# Allegro board 1155001-Timing_board_V3_20241024_1805_pcb.brd (continued)
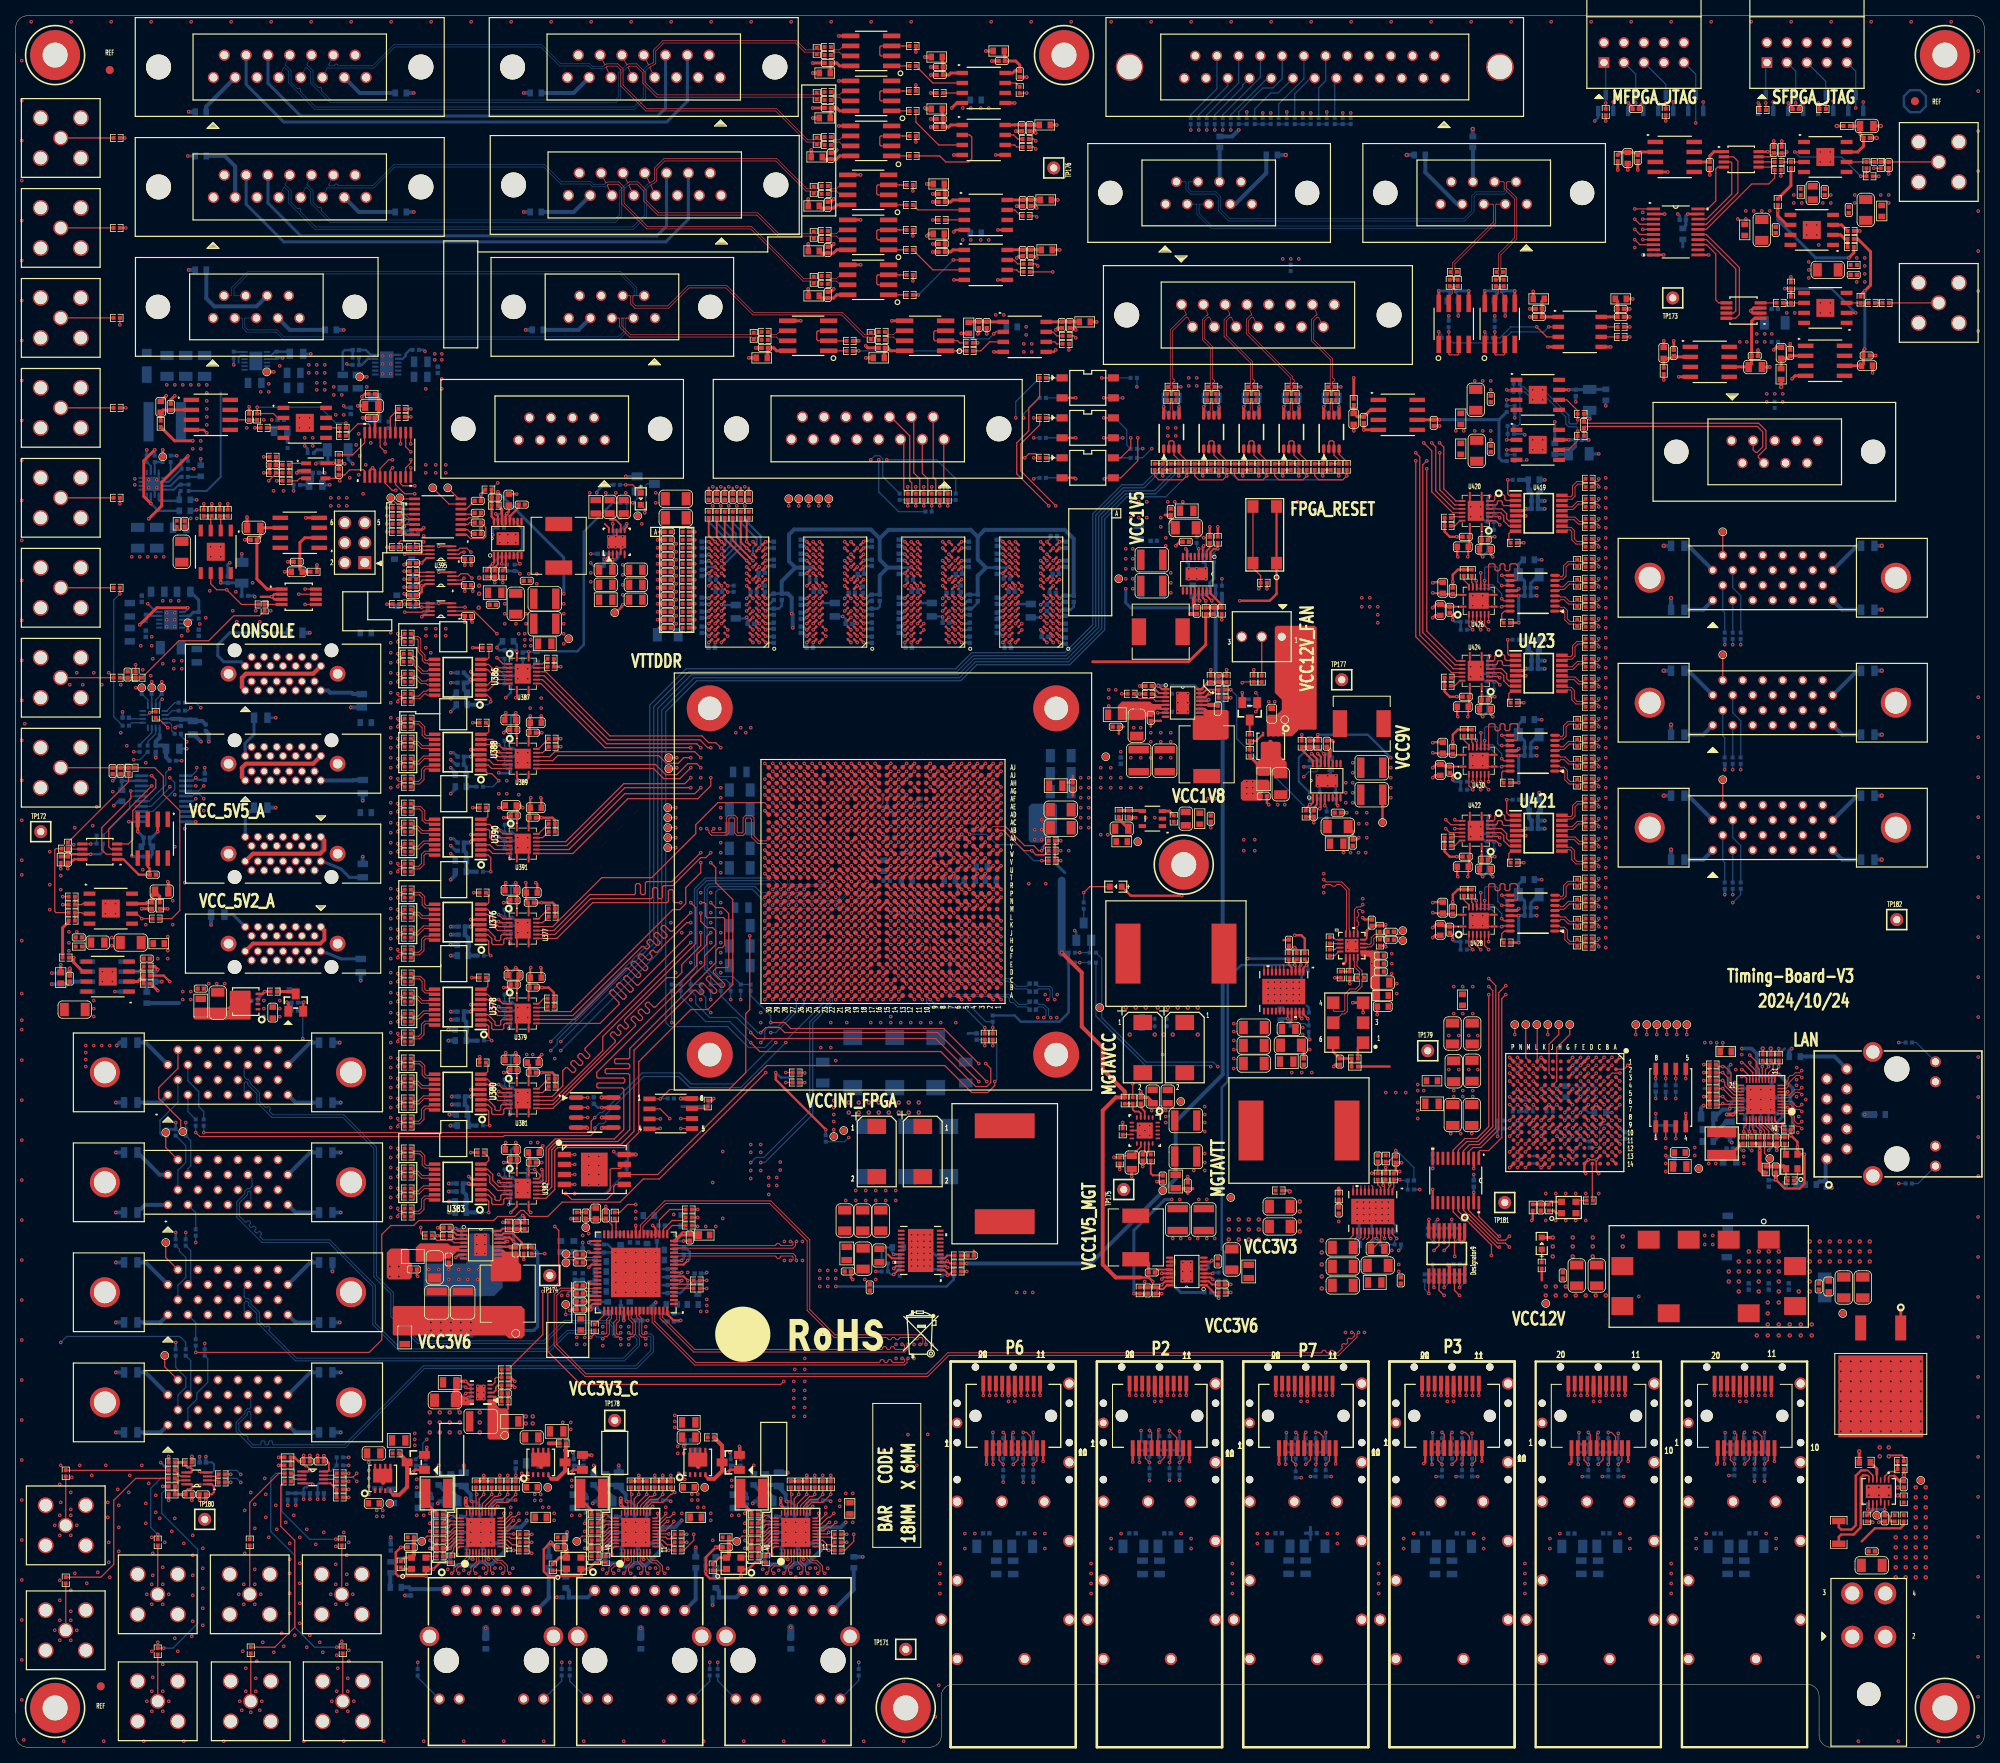
[diagram p0: board, top side]
## Routing (per net, layer and track width the routed paths; a pad name or vN(x,y) marks a point on that pad's centre or on a via; arc(x,y) is an arc through that point) (continued)
  BOTTOM w0.157: R2481.2 v1(82.17,32.13)
FPGA_2_RGMII_RXD3: length 102.6
  TOP w0.157: U247.J12 v1(114.14,103) ; R2478.2 83.19,32.67 83.34,32.51 83.57,32.51 v1(83.69,32.38) 83.57,32.38 83.31,32.13 83.19,32.13 82.17,31.11 80.77,31.11 80.14,30.48 U325.22
  ART08 w0.117: v1(83.69,32.38) 83.69,32.57 84.56,33.43 84.98,33.43 85.47,33.92 85.47,37.57 87.7,39.8 88.21,40.31 99.49,40.31 119,59.82 119,81.72 118.43,82.29 118.43,94.29 117.23,95.5 116.84,95.5 116.64,95.71 116.64,101.42 115.57,102.49 114.65,102.49 v1(114.14,103)
  BOTTOM w0.157: R2478.2 83.19,32.67 83.34,32.51 83.57,32.51 v1(83.69,32.38)
FPGA_2_RGMII_TX_CLK: length 108.1
  TOP w0.157: v1(81.51,29.72) 81.53,29.69 81.53,29.26 81.38,29.11 U325.20 ; U247.H15 v1(111.14,102)
  ART08 w0.102: 111.88,94.5 111.74,94.64 111.74,100.18 112.05,100.48 112.19,100.48 112.54,100.83 112.54,101.23 112.37,101.4 111.74,101.4 v1(111.14,102)
  ART08 w0.117: v1(81.51,29.72) 81.01,29.72 79.69,31.04 79.69,32.63 78.11,34.21 78.11,36.07 79.65,37.61 79.65,42.54 87.15,50.04 87.31,50.04 88.03,49.33 88.19,49.33 88.36,49.49 88.36,49.66 88.27,49.75 88.27,49.91 88.43,50.08 88.6,50.08 88.69,49.99 88.85,49.99 92.58,53.72 106.68,53.72 111,58.04 111,67.18 114.05,70.23 114.05,71.11 114.16,71.23 114.56,71.23 114.68,71.35 114.68,71.58 114.56,71.7 114.16,71.7 114.05,71.81 114.05,72.05 114.16,72.16 114.56,72.16 114.68,72.28 114.68,72.51 114.56,72.63 114.16,72.63 114.05,72.75 114.05,72.98 114.16,73.1 114.56,73.1 114.68,73.21 114.68,73.45 114.56,73.57 114.16,73.57 114.05,73.68 114.05,73.92 114.16,74.03 114.56,74.03 114.68,74.15 114.68,74.38 114.56,74.5 114.16,74.5 114.05,74.62 114.05,74.85 114.16,74.97 114.56,74.97 114.68,75.08 114.68,75.32 114.56,75.43 114.16,75.43 114.05,75.55 114.05,83.65 112.83,84.87 112.83,92.94 112.19,93.59 112.19,94.19 111.88,94.5
FPGA_2_RGMII_TX_CTL: length 106.2
  TOP w0.157: v1(82.55,29.72) 82.55,29.59 81.66,28.71 U325.19 ; U247.J16 v1(109.14,104)
  ART08 w0.102: v1(109.14,104) 110.54,102.6 112.1,102.6 112.66,102.04 112.66,101.9 113.05,101.5 113.2,101.5 113.74,100.96 113.74,94.79 113.92,94.61
  ART08 w0.117: 113.92,94.61 115.37,93.16 115.37,84.76 116.47,83.66 116.47,69.1 113.31,65.94 113.31,57.05 108.08,51.82 93.37,51.82 85.88,44.32 84.07,44.32 81.47,41.71 81.47,36.51 80.6,35.64 80.6,34.22 81.62,33.2 81.62,31.94 82.1,31.45 82.1,30.33 82.55,29.88 v1(82.55,29.72)
FPGA_2_RGMII_TXD0: length 104.1
  TOP w0.157: U247.H11 v1(114.14,102) ; U325.18 81.75,28.3 82.66,29.21 83.06,29.21 v1(83.57,29.72)
  ART08 w0.102: 116.33,95.5 115.95,95.5 115.74,95.72 115.74,100.97 115.11,101.6 114.54,101.6 v1(114.14,102)
  ART08 w0.117: 116.33,95.5 116.65,95.18 116.65,94.8 117.99,93.47 117.99,82.39 117.73,82.13 117.73,59.57 108.38,50.21 95.23,50.21 86.38,41.37 86.38,41.2 86.74,40.85 86.74,40.69 86.57,40.52 86.41,40.52 86.05,40.87 85.89,40.87 85.72,40.71 85.72,40.54 86.08,40.19 86.08,40.03 85.91,39.86 85.74,39.86 85.39,40.21 85.23,40.21 85.06,40.05 85.06,39.88 85.41,39.53 85.41,39.36 85.25,39.2 85.08,39.2 84.73,39.55 84.57,39.55 83.66,38.64 83.66,34.28 83.22,33.84 83.22,32 83.76,31.46 83.76,29.92 v1(83.57,29.72)
FPGA_2_RGMII_TXD1: length 102.5
  TOP w0.157: v1(82.8,28.7) 82.68,28.7 81.88,27.9 U325.17 ; U247.D13 v1(113.14,98)
  ART08 w0.102: 113.03,94.5 113.03,94.87 112.74,95.16 112.74,97.6 v1(113.14,98)
  ART08 w0.117: v1(82.8,28.7) 82.64,28.7 82.08,29.26 82.08,29.75 81.42,30.41 81.42,31.02 80.71,31.73 80.71,32.88 79.62,33.97 79.62,36.25 80.62,37.25 80.62,42.3 86.07,47.74 86.23,47.74 86.97,47 87.13,47 87.3,47.17 87.3,47.33 87.21,47.42 87.21,47.59 87.38,47.75 87.54,47.75 87.63,47.66 87.8,47.66 92.89,52.76 107.75,52.76 112.45,57.45 112.45,66.98 114.14,68.68 114.31,68.68 114.39,68.59 114.55,68.59 114.72,68.76 114.72,68.92 114.64,69.01 114.64,69.17 115.57,70.1 115.57,83.36 114.1,84.83 114.1,86.8 113.98,86.92 113.87,86.92 113.75,87.03 113.75,87.27 113.87,87.38 113.98,87.38 114.1,87.5 114.1,87.73 113.98,87.85 113.87,87.85 113.75,87.97 113.75,88.2 113.87,88.32 113.98,88.32 114.1,88.44 114.1,88.67 113.98,88.79 113.87,88.79 113.75,88.9 113.75,89.14 113.87,89.25 113.98,89.25 114.1,89.37 114.1,89.6 113.98,89.72 113.87,89.72 113.75,89.84 113.75,90.07 113.87,90.19 113.98,90.19 114.1,90.31 114.1,92.87 113.03,93.94 113.03,94.5
FPGA_2_RGMII_TXD2: length 104.2
  TOP w0.157: U247.H12 v1(113.14,102) ; U325.16 82.5,27.5 83.57,28.57 v1(83.57,28.7)
  ART08 w0.102: 115.54,94.9 115.54,100.2 115.14,100.6 114.97,100.6 114.54,101.04 114.54,101.18 114.12,101.6 113.54,101.6 v1(113.14,102)
  ART08 w0.117: v1(83.57,28.7) 83.04,29.23 83.04,30.65 82.73,30.96 82.73,38.97 94.43,50.67 108.2,50.67 117.31,59.78 117.31,84.26 116.84,84.73 116.84,89.08 116.72,89.2 116.42,89.2 116.31,89.31 116.31,89.55 116.42,89.66 116.72,89.66 116.84,89.78 116.84,90.01 116.72,90.13 116.42,90.13 116.31,90.25 116.31,90.48 116.42,90.6 116.72,90.6 116.84,90.71 116.84,90.95 116.72,91.07 116.42,91.07 116.31,91.18 116.31,91.42 116.42,91.53 116.72,91.53 116.84,91.65 116.84,93.6 115.54,94.9
FPGA_2_RGMII_TXD3: length 108.9
  TOP w0.157: U325.15 v1(82.93,27.11) ; U247.G15 v1(111.14,101)
  ART08 w0.102: v1(111.14,101) 110.74,100.6 110.74,94.5
  ART08 w0.117: v1(82.93,27.11) 82.91,27.11 78.7,31.32 78.7,32.42 77.09,34.02 77.09,36.45 78.68,38.04 78.68,43.58 88.95,53.86 89.12,53.86 89.44,53.54 89.6,53.54 89.77,53.7 89.77,53.87 89.45,54.19 89.45,54.35 89.66,54.56 106.13,54.56 110.13,58.57 110.13,68.16 111.07,69.09 111.07,73.37 111.51,73.81 111.51,84.67 110.69,85.49 110.69,85.88 110.81,86 110.92,86 111.04,86.12 111.04,86.35 110.92,86.47 110.81,86.47 110.69,86.58 110.69,86.82 110.81,86.93 111.03,86.93 111.15,87.05 111.15,87.29 111.03,87.4 110.81,87.4 110.69,87.52 110.69,87.75 110.81,87.87 111.16,87.87 111.27,87.99 111.27,88.22 111.16,88.34 110.81,88.34 110.69,88.45 110.69,88.69 110.81,88.8 111.16,88.8 111.27,88.92 111.27,89.15 111.16,89.27 110.81,89.27 110.69,89.39 110.69,89.62 110.81,89.74 111.16,89.74 111.27,89.86 111.27,90.09 111.16,90.21 110.81,90.21 110.69,90.32 110.69,90.56 110.81,90.67 111.16,90.67 111.27,90.79 111.27,91.02 111.16,91.14 110.81,91.14 110.69,91.26 110.69,94.45 110.74,94.5
FPGA_3_25M_OSC_ETH: length 4
  TOP w0.157: R2519.2 C2630.1 94.51,25.27 95.94,26.71 U327.37
FPGA_3_ETH_INTB: length 89.5
  TOP w0.157: U247.K16 v1(109.14,105)
  ART10 w0.102: 111.49,94.5 111.49,94.53 111.54,94.57 111.54,102.17 111.3,102.4 110.88,102.4 109.54,103.74 109.54,104.6 v1(109.14,105)
  ART10 w0.117: 111.49,94.5 111.49,93.36 111.96,92.89 111.96,88.93 107.7,84.66 107.7,71.63 107.31,71.25 107.31,69.12 106.81,68.61 106.81,55.07 102.73,50.99 102.73,42.19 96.14,35.6 96.14,30.35 95.78,30 93.45,30 92.58,29.13 v1(92.58,28.45)
  BOTTOM w0.157: v1(92.58,28.45) 92.58,28.59 R2502.2
FPGA_3_ETH_LED0: length 3.5
  TOP w0.157: U327.32 95.75,28.71 95.71,28.75 v1(94.97,28.75)
  BOTTOM w0.157: R2517.2 94.67,28.45 v1(94.97,28.75) 95.56,29.34 R2528.1
FPGA_3_ETH_LED1: length 29.2
  TOP w0.157: U327.33 95.24,28.3 v1(94.97,28.03)
  ART05 w0.117: v1(107.06,10.79) 107.57,11.3 107.57,18.92 102.87,23.62 101.6,23.62 99.95,25.27 97.73,25.27 v1(94.97,28.03)
  BOTTOM w0.157: R2516.2 94.37,27.43 v1(94.97,28.03) 95.26,28.32 R2527.1 ; R2576.1 v1(107.06,10.79)
FPGA_3_ETH_LED2: length 25.4
  TOP w0.157: R2515.2 94.36,27.32 v1(94.97,27.32) 95.11,27.32 95.69,27.9 U327.34
  ART03 w0.117: v1(94.97,27.32) 94.57,26.92 91.57,26.92 89.28,24.64 89.28,18.16 88.65,17.53 88.65,11.3 v1(89.15,10.79)
  BOTTOM w0.157: v1(94.97,27.32) 95.23,27.32 95.25,27.3 R2526.1 ; R2574.1 v1(89.15,10.79)
FPGA_3_ETH_PWR_EN: length 79.4
  TOP w0.157: U247.D19 v1(106.14,98)
  ART03 w0.117: v1(106.14,98) 106.68,98.54 107.36,98.54 107.7,98.2 107.7,94.61 109.47,92.84 v1(111.12,92.84)
  ART10 w0.117: v1(111.12,92.84) 111.54,92.42 111.54,89.1 106.43,83.99 106.43,71.63 105.82,71.03 105.82,54.72 102.31,51.2 102.31,42.37 97.41,37.47 v1(90.68,37.47)
  BOTTOM w0.305: R2539.2 90.81,37.34 v1(90.68,37.47)
FPGA_3_ETH_RESET_B: length 90.8
  TOP w0.157: R2504.2 105.28,25.02 106.43,26.16 v1(106.43,27.05) ; U247.L11 v1(115.14,105)
  ART10 w0.102: v1(115.14,105) 115.59,104.54 116.17,104.54 116.66,104.05 116.66,101.91 116.97,101.6 117.4,101.6 117.74,101.27 117.74,100.82 117.96,100.6 118.39,100.6 118.74,100.26 118.74,95.46 119.7,94.5
  ART10 w0.117: 119.7,94.5 120.27,93.93 120.27,83.44 118.88,82.05 118.88,77.74 117.88,76.74 117.88,58.02 108.69,48.83 108.69,33.35 105.86,30.52 105.86,27.62 v1(106.43,27.05)
FPGA_3_ETH_TD_M_A: length 12.2
  TOP w0.122: U327.2 97.66,24.43 97.62,24.4 97.62,23.62 97.04,23.04 96.37,23.04 95.99,22.66 95.99,22.38 v1(96.27,22.1)
  ART10 w0.099: v1(96.27,22.1) 95.99,21.82 95.99,21.34 95.61,20.95 94.91,20.95 94.24,21.63 93.85,21.63 93.72,21.49 93.72,19.17 93.8,19.08 94.43,18.77 94.82,18.89 94.91,19.01 J107.3
FPGA_3_ETH_TD_M_B: length 15.5
  TOP w0.122: v1(98.42,22.1) 98.15,22.38 98.15,22.73 98.83,23.41 98.83,24.4 98.86,24.43 U327.5
  ART03 w0.099: v1(98.42,22.1) 98.15,21.82 98.15,21.25 97.85,20.95 97.39,20.95 97.22,21.12 97.04,21.12 96.87,20.95 96.4,20.95 96.07,21.28 95.81,21.28 95.71,21.18 95.71,21.04 96.39,20.36 96.39,19.58 95.83,19.02 95.83,18.83 95.93,18.73 96.78,18.73 97.04,18.47 97.18,18.47 97.64,18.92 98.13,18.92 98.33,18.72 98.4,18.61 98.44,18.57 98.71,18.52 98.79,18.58 99.33,18.58 99.99,19.23 J107.7
FPGA_3_ETH_TD_M_C: length 12.3
  TOP w0.122: v1(100.58,22.1) 100.3,22.38 100.3,23.01 99.62,23.69 99.62,24.4 99.66,24.43 U327.7
  ART10 w0.099: v1(100.58,22.1) 100.31,21.82 100.31,21.68 100.43,21.56 101.23,21.56 101.63,21.16 101.63,20.5 101.5,20.36 101.5,19.33 100.5,18.33 99.64,18.33 99.29,18.67 98.46,18.67 98.42,18.63 98.25,18.54 98.2,18.41 J107.6
FPGA_3_ETH_TD_M_D: length 14.7
  TOP w0.122: v1(102.74,22.1) 102.46,22.38 102.46,23.04 101.75,23.75 101.23,23.75 100.83,24.15 100.83,24.4 100.86,24.43 U327.10
  ART05 w0.099: J107.9 102.53,19 102.38,18.85 101.88,18.85 101.67,18.96 100.84,18.96 100.71,18.83 99.44,18.83 99.31,18.96 99.01,18.96 98.91,19.06 98.91,20.26 99.6,20.95 100.99,20.95 101.1,20.84 101.4,20.84 101.51,20.95 101.95,20.95 102.47,21.47 102.47,21.82 v1(102.74,22.1)
FPGA_3_ETH_TD_P_A: length 12.2
  TOP w0.122: v1(95.38,22.1) 95.66,22.38 95.66,22.79 96.23,23.37 96.9,23.37 97.29,23.76 97.29,24.4 97.26,24.43 U327.1
  ART10 w0.099: v1(95.38,22.1) 95.65,21.82 95.65,21.48 95.47,21.3 95.05,21.3 94.38,21.97 93.71,21.97 93.37,21.63 93.37,19.02 93.6,18.8 94.11,18.54 94.15,18.41 J107.2
FPGA_3_ETH_TD_P_B: length 15.6
  TOP w0.122: v1(97.54,22.1) 97.82,22.38 97.82,22.87 98.49,23.55 98.49,24.4 98.46,24.43 U327.4
  ART03 w0.099: J107.4 96.66,17.29 98.11,18.25 98.14,18.39 98.06,18.5 97.98,18.58 97.78,18.58 97.32,18.13 96.9,18.13 96.63,18.39 95.79,18.39 95.49,18.69 95.49,19.16 96.05,19.72 96.05,20.22 95.37,20.9 95.37,21.33 95.67,21.63 96.21,21.63 96.54,21.29 96.73,21.29 96.9,21.46 97.36,21.46 97.54,21.29 97.71,21.29 97.81,21.39 97.81,21.82 v1(97.54,22.1)
FPGA_3_ETH_TD_P_C: length 12.2
  TOP w0.122: v1(99.69,22.1) 99.97,22.38 99.97,22.88 99.29,23.56 99.29,24.4 99.26,24.43 U327.6
  ART10 w0.099: J107.5 97.45,18.98 97.57,18.85 98.09,18.85 98.22,18.91 98.32,19.01 99.44,19.01 99.78,18.67 100.35,18.67 101.15,19.47 101.15,20.51 101.29,20.64 101.29,21.02 101.09,21.22 100.29,21.22 99.97,21.54 99.97,21.82 v1(99.69,22.1)
FPGA_3_ETH_TD_P_D: length 14.7
  TOP w0.122: v1(101.85,22.1) 102.13,22.38 102.13,22.9 101.62,23.42 101.09,23.42 100.49,24.02 100.49,24.4 100.46,24.43 U327.9
  ART05 w0.099: J107.8 101.77,18.41 101.73,18.54 101.73,18.55 101.58,18.62 100.98,18.62 100.86,18.49 99.3,18.49 99.17,18.62 98.87,18.62 98.57,18.92 98.57,20.4 99.46,21.29 101.81,21.29 102.13,21.61 102.13,21.82 v1(101.85,22.1)
FPGA_3_RGMII_RX_CLK: length 85.4
  TOP w0.157: R2521.1 98.42,32.26 v1(98.55,32.13) 98.46,32.04 U327.27 ; U247.D12 v1(114.14,98)
  ART10 w0.102: 113.84,94.5 113.74,94.6 113.74,97.6 v1(114.14,98)
  ART10 w0.117: 113.84,94.5 114.08,94.26 114.08,89.26 111.51,86.68 111.51,80.13 111.62,80.02 112.23,80.02 112.34,79.9 112.34,79.67 112.23,79.55 111.62,79.55 111.51,79.43 111.51,79.2 111.62,79.08 112.23,79.08 112.34,78.97 112.34,78.73 112.23,78.62 111.62,78.62 111.51,78.5 111.51,78.27 111.62,78.15 112.23,78.15 112.34,78.03 112.34,77.8 112.23,77.68 111.62,77.68 111.51,77.56 111.51,77.33 111.62,77.21 112.23,77.21 112.34,77.1 112.34,76.86 112.23,76.75 111.62,76.75 111.51,76.63 111.51,76.4 111.62,76.28 112.23,76.28 112.34,76.16 112.34,75.93 112.23,75.81 111.62,75.81 111.51,75.69 111.51,75.46 111.62,75.34 111.92,75.34 112.04,75.23 112.04,74.99 111.92,74.88 111.62,74.88 111.51,74.76 111.51,71.5 110.9,70.9 110.9,68.96 108.76,66.82 108.76,55.12 104.11,50.47 104.11,41.78 98.88,36.55 98.88,32.46 v1(98.55,32.13)
  BOTTOM w0.157: R2521.1 98.42,32.26 v1(98.55,32.13)
FPGA_3_RGMII_RX_CTL: length 91.1
  TOP w0.157: R2522.1 v1(99.44,32.13) 98.86,31.55 U327.26 ; U247.L15 v1(111.14,105)
  ART10 w0.102: 114.5,94.5 114.5,94.82 114.54,94.85 114.54,99.16 114.3,99.4 113.15,99.4 112.74,99.81 112.74,102.39 112.54,102.59 112.54,103.17 112.16,103.55 112.02,103.55 111.55,104.01 111.55,104.34 111.14,104.75 v1(111.14,105)
  ART10 w0.117: 114.5,94.5 114.5,86.19 114.38,86.08 113.27,86.08 113.16,85.96 113.16,85.73 113.27,85.61 114.38,85.61 114.5,85.49 114.5,85.26 114.38,85.14 113.3,85.14 113.18,85.03 113.18,84.79 113.3,84.68 114.38,84.68 114.5,84.56 114.5,84.13 112.79,82.42 112.79,69.7 109.73,66.64 109.73,55.45 104.56,50.28 104.56,41.64 99.44,36.52 v1(99.44,32.13)
  BOTTOM w0.157: R2522.1 v1(99.44,32.13)
FPGA_3_RGMII_RXD0: length 89.7
  TOP w0.157: U247.J14 v1(112.14,104) ; R2525.1 v1(100.46,32.13) 99.26,30.93 U327.25
  ART10 w0.102: 114.92,94.5 114.92,94.55 114.74,94.73 114.74,99.55 114.54,99.75 114.54,100.18 114.32,100.4 113.89,100.4 113.54,100.75 113.54,102.18 113.12,102.6 112.97,102.6 112.74,102.83 112.74,103.4 v1(112.14,104)
  ART10 w0.117: 114.92,94.5 114.92,92.98 115.35,92.55 115.35,83.98 113.97,82.61 113.97,80.06 114.09,79.95 114.6,79.95 114.72,79.83 114.72,79.6 114.6,79.48 114.09,79.48 113.97,79.36 113.97,79.13 114.09,79.01 114.6,79.01 114.72,78.89 114.72,78.66 114.6,78.54 114.09,78.54 113.88,78.34 113.88,73.19 113.21,72.52 113.21,69.53 110.21,66.52 110.21,55.29 105.14,50.22 105.14,41.61 99.95,36.43 99.95,36.04 100.07,35.93 100.42,35.93 100.53,35.81 100.53,35.58 100.42,35.46 100.07,35.46 99.95,35.34 99.95,33.86 100.07,33.74 100.42,33.74 100.53,33.63 100.53,33.39 100.42,33.28 100.07,33.28 99.95,33.16 99.95,32.89 100.46,32.38 v1(100.46,32.13)
  BOTTOM w0.157: R2525.1 v1(100.46,32.13)
FPGA_3_RGMII_RXD1: length 89.4
  TOP w0.157: U247.J13 v1(113.14,103) ; R2513.2 v1(101.47,32.13) 101.22,31.88 100.84,31.88 99.66,30.7 U327.24
  ART10 w0.102: 115.44,94.5 115.54,94.59 115.54,99.17 115.16,99.55 115.03,99.55 114.74,99.83 114.74,100.27 114.4,100.6 113.97,100.6 113.74,100.83 113.74,102.4 v1(113.14,103)
  ART10 w0.117: 115.44,94.5 115.44,93.05 115.77,92.72 115.77,78.8 114.31,77.33 114.31,73.01 113.69,72.4 113.69,69.33 110.63,66.27 110.63,55.08 105.57,50.02 105.57,45.73 105.56,45.72 105.56,40.61 105.13,40.18 105.13,40.02 105.51,39.63 105.51,39.47 105.34,39.3 105.18,39.3 104.39,40.09 104.23,40.09 103.78,39.64 103.78,39.48 104.02,39.24 104.02,39.07 103.86,38.91 103.69,38.91 103.45,39.15 103.28,39.15 103.12,38.98 103.12,38.82 103.36,38.58 103.36,38.41 103.19,38.25 103.03,38.25 102.79,38.49 102.62,38.49 102.46,38.32 102.46,38.16 102.7,37.92 102.7,37.75 102.53,37.58 102.37,37.58 102.13,37.83 101.96,37.83 101.8,37.66 101.8,37.49 102.04,37.25 102.04,37.09 100.97,36.02 100.97,32.64 v1(101.47,32.13)
  BOTTOM w0.157: R2513.2 v1(101.47,32.13)
FPGA_3_RGMII_RXD2: length 91
  TOP w0.157: U327.23 100.06,30.59 100.97,31.5 101.85,31.5 v1(102.49,32.13) R2512.2 ; U247.K14 v1(112.14,105)
  ART10 w0.102: v1(112.14,105) 112.14,104.72 112.54,104.33 112.54,104.04 113.18,103.4 113.32,103.4 113.54,103.18 113.54,103.04 114.18,102.4 114.3,102.4 114.54,102.17 114.54,102.02 115.06,101.5 115.2,101.5 115.54,101.17 115.54,100.73 115.87,100.4 116.3,100.4 116.54,100.17 116.54,94.55 116.49,94.5
  ART10 w0.117: v1(102.49,32.13) 102.49,32.64 102.97,33.12 102.97,33.29 102.8,33.45 102.8,33.62 102.97,33.78 103.14,33.78 103.3,33.62 103.47,33.62 104.27,34.42 104.27,34.58 103.53,35.32 103.53,35.48 103.7,35.65 103.86,35.65 104.47,35.04 104.64,35.04 104.8,35.21 104.8,35.37 104.19,35.98 104.19,36.15 106.41,38.37 106.41,49.56 112.01,55.16 112.01,66.29 114.53,68.81 114.53,72.05 115.15,72.66 115.15,76.98 116.78,78.61 116.78,91.46 117.04,91.73 117.04,92.72 116.46,93.31 116.46,94.47 116.49,94.5
  BOTTOM w0.157: R2512.2 v1(102.49,32.13)
FPGA_3_RGMII_RXD3: length 88.8
  TOP w0.157: U247.L13 v1(113.14,105) ; R2509.2 v1(103.5,32.13) 102.49,31.11 101.09,31.11 100.46,30.48 U327.22
  ART10 w0.102: 117.54,94.5 117.54,100.17 117.3,100.4 116.88,100.4 116.54,100.74 116.54,101.17 116.05,101.65 116.05,101.95 115.4,102.6 114.97,102.6 114.74,102.83 114.74,103.27 114.4,103.6 113.97,103.6 113.74,103.83 113.74,104.4 v1(113.14,105)
  ART10 w0.117: 117.54,94.5 117.54,93.42 118.33,92.63 118.33,89.71 117.62,89 117.62,78.26 116.62,77.26 116.62,58.54 107.43,49.35 107.43,36.06 v1(103.5,32.13)
  BOTTOM w0.157: R2509.2 v1(103.5,32.13)
FPGA_3_RGMII_TX_CLK: length 96.5
  TOP w0.157: U327.20 101.75,29.11 101.98,29.34 v1(101.98,29.72) ; U247.G12 v1(114.14,101)
  ART10 w0.102: 115.94,94.5 115.74,94.7 115.74,99.96 115.17,100.53 115.04,100.53 114.57,101 v1(114.14,101)
  ART10 w0.117: 115.94,94.5 115.95,94.49 115.95,93.22 116.62,92.55 116.62,91.9 116.35,91.64 116.35,78.79 114.73,77.16 114.73,72.84 114.11,72.22 114.11,69.15 111.05,66.09 111.05,59.57 111.17,59.46 111.21,59.46 111.33,59.34 111.33,59.1 111.21,58.99 111.17,58.99 111.05,58.87 111.05,54.87 105.99,49.81 105.99,38.68 105.55,38.24 105.38,38.24 104.72,38.9 104.56,38.9 104.39,38.73 104.39,38.57 105.05,37.91 105.05,37.74 104.89,37.58 104.72,37.58 104.06,38.24 103.9,38.24 103.73,38.07 103.73,37.91 104.39,37.25 104.39,37.08 104.23,36.92 104.06,36.92 103.4,37.58 103.23,37.58 103.07,37.41 103.07,37.25 103.73,36.58 103.73,36.42 103.56,36.25 103.4,36.25 102.74,36.91 102.57,36.91 102.41,36.75 102.41,36.58 103.07,35.92 103.07,35.76 102.9,35.59 102.74,35.59 102.08,36.25 101.91,36.25 101.75,36.09 101.75,35.92 102.41,35.26 102.41,35.1 101.98,34.67 101.98,33.92 101.86,33.8 101.5,33.8 101.39,33.68 101.39,33.45 101.5,33.33 101.86,33.33 101.98,33.22 101.98,31.72 101.86,31.6 99.65,31.6 99.53,31.49 99.53,31.25 99.65,31.14 101.86,31.14 101.98,31.02 v1(101.98,29.72)
FPGA_3_RGMII_TX_CTL: length 94.2
  TOP w0.157: U327.19 101.98,28.71 102.87,29.59 v1(102.87,29.72) ; U247.K13 v1(113.14,104)
  ART10 w0.102: 116.91,94.5 116.91,94.54 116.74,94.72 116.74,100.25 116.39,100.6 115.96,100.6 115.74,100.82 115.74,101.97 115.31,102.4 114.88,102.4 114.54,102.74 114.54,103.18 114.31,103.4 113.74,103.4 v1(113.14,104)
  ART10 w0.117: 116.91,94.5 116.91,93.45 117.9,92.46 117.9,91.61 117.2,90.91 117.2,90.62 117.31,90.5 117.71,90.5 117.83,90.38 117.83,90.15 117.71,90.03 117.31,90.03 117.2,89.91 117.2,78.44 115.57,76.81 115.57,69.22 112.45,66.09 112.45,60.56 112.56,60.44 113.4,60.44 113.51,60.33 113.51,60.09 113.4,59.98 112.56,59.98 112.45,59.86 112.45,59.63 112.56,59.51 113.4,59.51 113.51,59.39 113.51,59.16 113.4,59.04 112.56,59.04 112.45,58.92 112.45,54.99 106.93,49.48 106.93,38.18 106.16,37.4 106.16,37.24 106.55,36.84 106.55,36.68 106.39,36.51 106.22,36.51 105.83,36.91 105.67,36.91 105.5,36.74 105.5,36.58 105.89,36.18 105.89,36.02 105.73,35.85 105.56,35.85 105.17,36.25 105,36.25 104.91,36.15 104.91,35.98 105.6,35.28 105.6,35.12 103,32.51 103,31.88 102.43,31.31 102.43,30.16 v1(102.87,29.72)
FPGA_3_RGMII_TXD0: length 89.2
  TOP w0.157: U247.K11 v1(115.14,104) ; U327.18 102.23,28.3 103.14,29.21 103.38,29.21 v1(103.89,29.72)
  ART10 w0.102: 118.54,94.5 118.54,100.16 118.3,100.4 117.88,100.4 117.54,100.74 117.54,101.18 117.32,101.4 116.89,101.4 116.46,101.83 116.46,102.12 115.74,102.83 115.74,103.4 v1(115.14,104)
  ART10 w0.117: v1(103.89,29.72) 104.46,29.72 108.27,33.53 108.27,49 117.46,58.19 117.46,76.91 118.46,77.91 118.46,85.54 118.63,85.71 119.14,85.71 119.25,85.82 119.25,86.06 119.14,86.17 118.63,86.17 118.52,86.29 118.52,86.52 118.63,86.64 119.73,86.64 119.85,86.76 119.85,92.46 118.54,93.77 118.54,94.5
FPGA_3_RGMII_TXD1: length 94.6
  TOP w0.157: U247.K15 v1(111.14,104) ; U327.17 102.56,27.9 103.23,28.57 v1(103.36,28.57)
  ART10 w0.102: 113.01,94.5 112.54,94.98 112.54,102.18 112.32,102.4 112.18,102.4 111.54,103.04 111.54,103.6 v1(111.14,104)
  ART10 w0.117: v1(103.36,28.57) 102.92,28.57 102.8,28.69 102.8,29.07 102.68,29.19 102.45,29.19 102.33,29.07 102.33,28.69 102.22,28.57 101.98,28.57 101.04,29.52 100.5,29.52 98.11,31.91 98.11,32.32 98.46,32.67 98.46,32.83 98.34,32.95 97.78,32.95 97.66,33.06 97.66,33.3 97.78,33.41 98.34,33.41 98.46,33.53 98.46,33.76 98.34,33.88 97.78,33.88 97.66,34 97.66,34.23 97.78,34.35 98.34,34.35 98.46,34.46 98.46,36.72 103.57,41.84 103.57,50.56 108.33,55.32 108.33,59.89 108.21,60.01 108.07,60.01 107.95,60.13 107.95,60.36 108.07,60.48 108.21,60.48 108.33,60.59 108.33,67.69 109.86,69.22 109.86,71.63 110.36,72.14 110.36,86.14 113.23,89 113.23,89.82 113.35,89.94 113.54,89.94 113.66,90.05 113.66,90.29 113.54,90.41 113.35,90.41 113.23,90.52 113.23,90.76 113.35,90.87 113.54,90.87 113.66,90.99 113.66,91.22 113.54,91.34 113.35,91.34 113.23,91.46 113.23,92.84 113.35,92.96 113.54,92.96 113.66,93.08 113.66,93.31 113.54,93.43 113.35,93.43 113.23,93.54 113.23,94.28 113.01,94.5
FPGA_3_RGMII_TXD2: length 92.8
  TOP w0.157: v1(104.14,28.57) 103.5,27.94 103.07,27.94 102.64,27.5 U327.16 ; U247.L12 v1(114.14,105)
  ART10 w0.102: 118.04,94.5 118.04,95.32 117.74,95.62 117.74,100.25 117.39,100.6 116.97,100.6 116.74,100.83 116.74,101.25 116.26,101.73 116.26,102.03 115.54,102.75 115.54,103.18 115.19,103.53 115.04,103.53 114.61,103.96 114.61,104.52 v1(114.14,105)
  ART10 w0.117: 118.04,94.5 118.04,93.52 118.75,92.81 118.75,88.17 118.63,88.05 118.2,88.05 118.08,87.93 118.08,87.7 118.2,87.58 118.63,87.58 118.75,87.47 118.75,87.23 118.63,87.12 118.2,87.12 118.04,86.96 118.04,78.09 117.04,77.09 117.04,58.37 107.85,49.18 107.85,35.54 106.81,34.5 106.81,34.33 107.17,33.98 107.17,33.81 107,33.64 106.83,33.64 106.48,34 106.31,34 106.15,33.83 106.15,33.67 106.5,33.31 106.5,33.15 106.34,32.98 106.17,32.98 105.82,33.34 105.65,33.34 104.01,31.7 104.01,30.99 103.38,30.35 103.38,29.34 v1(104.14,28.57)
FPGA_3_RGMII_TXD3: length 94.3
  TOP w0.157: U247.L16 v1(109.14,106) ; U327.15 103.05,27.11 v1(103.25,27.3)
  ART10 w0.102: 112.04,94.5 111.74,94.8 111.74,102.25 111.39,102.6 110.96,102.6 109.97,103.59 109.97,105.16 v1(109.14,106)
  ART10 w0.117: v1(103.25,27.3) 102.62,27.3 100.84,29.08 98.17,29.08 96.67,30.58 96.67,35.54 103.15,42.02 103.15,50.78 107.31,54.94 107.31,67.76 108.58,69.03 108.58,71.37 108.97,71.75 108.97,85.34 112.81,89.18 112.81,93.73 112.04,94.5
FPGA_CCLK_R: length 13.5
  TOP w0.157: U247.B10 v1(116.14,96) ; R507.1 v1(123.06,91.44)
  BOTTOM w0.157: v1(116.14,96) 115.7,95.56 115.7,94.61 116.38,93.93 120.57,93.93 v1(123.06,91.44) R507.1 R508.1
FPGA_CCLK_SFPGA: length 280.2
  TOP w0.157: U88.D1 v1(200.72,87.64) ; R507.2 v1(123.06,89.15)
  ART05 w0.117: v1(200.72,87.64) 201.17,87.2 201.17,83.44 200.91,83.19 198.5,83.19 196.04,80.72 188.39,80.72 185.04,84.07 182.23,84.07 182.12,83.96 182.12,82.18 182.23,82.06 186.32,82.06 186.44,81.95 186.44,81.71 186.32,81.6 182.23,81.6 182.12,81.48 182.12,81.25 182.23,81.13 187.34,81.13 187.48,80.99 187.48,80.78 187.36,80.66 182.23,80.66 182.12,80.55 182.12,80.31 182.23,80.2 188.15,80.2 188.32,80.03 188.32,79.82 188.2,79.7 182.23,79.7 182.12,79.59 182.12,79.38 182.26,79.24 188.96,79.24 189.08,79.12 189.08,78.89 188.96,78.77 181.77,78.77 181.65,78.89 181.65,83.96 181.53,84.07 181.3,84.07 181.18,83.96 181.18,77.58 181.3,77.46 187.61,77.46 187.73,77.35 187.73,77.11 187.61,76.99 181.3,76.99 181.18,76.88 181.18,76.64 181.3,76.53 188.88,76.53 189,76.41 189,76.18 188.88,76.06 181.3,76.06 181.18,75.94 181.18,75.71 181.3,75.59 189.06,75.59 189.18,75.48 189.18,73.9 189.06,73.79 188.48,73.79 188.36,73.9 188.36,75.01 188.24,75.13 188.01,75.13 187.89,75.01 187.89,73.6 187.78,73.48 187.54,73.48 187.42,73.6 187.42,75.01 187.31,75.13 187.07,75.13 186.96,75.01 186.96,73.6 186.84,73.48 186.61,73.48 186.49,73.6 186.49,75.01 186.37,75.13 186.14,75.13 186.02,75.01 186.02,73.78 185.91,73.66 185.67,73.66 185.56,73.78 185.56,75.01 185.44,75.13 185.2,75.13 185.09,75.01 185.09,74.21 184.97,74.09 184.74,74.09 184.62,74.21 184.62,75.01 184.5,75.13 184.27,75.13 184.15,75.01 184.15,73.5 184.04,73.38 183.8,73.38 183.69,73.5 183.69,75.01 183.57,75.13 183.34,75.13 183.22,75.01 183.22,73.55 183.1,73.43 182.87,73.43 182.75,73.55 182.75,75.01 182.63,75.13 182.4,75.13 182.28,75.01 182.28,73.55 182.17,73.43 181.98,73.43 181.86,73.55 181.86,74.97 181.74,75.08 181.51,75.08 181.39,74.97 181.39,73.55 181.28,73.43 180.83,73.43 180.72,73.55 180.72,83.96 180.6,84.07 180.36,84.07 180.25,83.96 180.25,76.72 180.13,76.61 179.61,76.61 179.49,76.49 179.49,73.5 179.38,73.38 179.14,73.38 179.03,73.5 179.03,76.41 178.91,76.53 178.68,76.53 178.56,76.41 178.56,73.5 178.44,73.38 178.2,73.38 178.08,73.5 178.08,76.41 177.96,76.53 177.69,76.53 177.57,76.65 177.57,77.06 177.69,77.17 179.61,77.17 179.73,77.29 179.73,77.53 179.61,77.64 177.71,77.64 177.6,77.76 177.6,77.99 177.71,78.11 179.61,78.11 179.73,78.23 179.73,78.46 179.61,78.58 177.71,78.58 177.6,78.69 177.6,79.01 177.71,79.13 179.66,79.13 179.78,79.25 179.78,79.48 179.66,79.6 178.65,79.6 178.54,79.71 178.54,79.95 178.65,80.06 179.66,80.06 179.78,80.18 179.78,80.41 179.66,80.53 178.65,80.53 178.54,80.65 178.54,80.88 178.65,81 179.66,81 179.78,81.12 179.78,81.35 179.66,81.47 178.65,81.47 178.54,81.58 178.54,81.82 178.65,81.93 179.66,81.93 179.78,82.05 179.78,82.28 179.66,82.4 178.65,82.4 178.54,82.52 178.54,82.75 178.65,82.87 179.66,82.87 179.78,82.99 179.78,83.96 179.66,84.07 179.45,84.07 178.18,85.34 165.86,85.34 164.85,86.36 161.42,86.36 159.82,84.76 127.46,84.76 v1(123.06,89.15)
